# KiCad board SparkFun_Thing_Plus_ESP32-S3_panelized.kicad_pcb (continued)
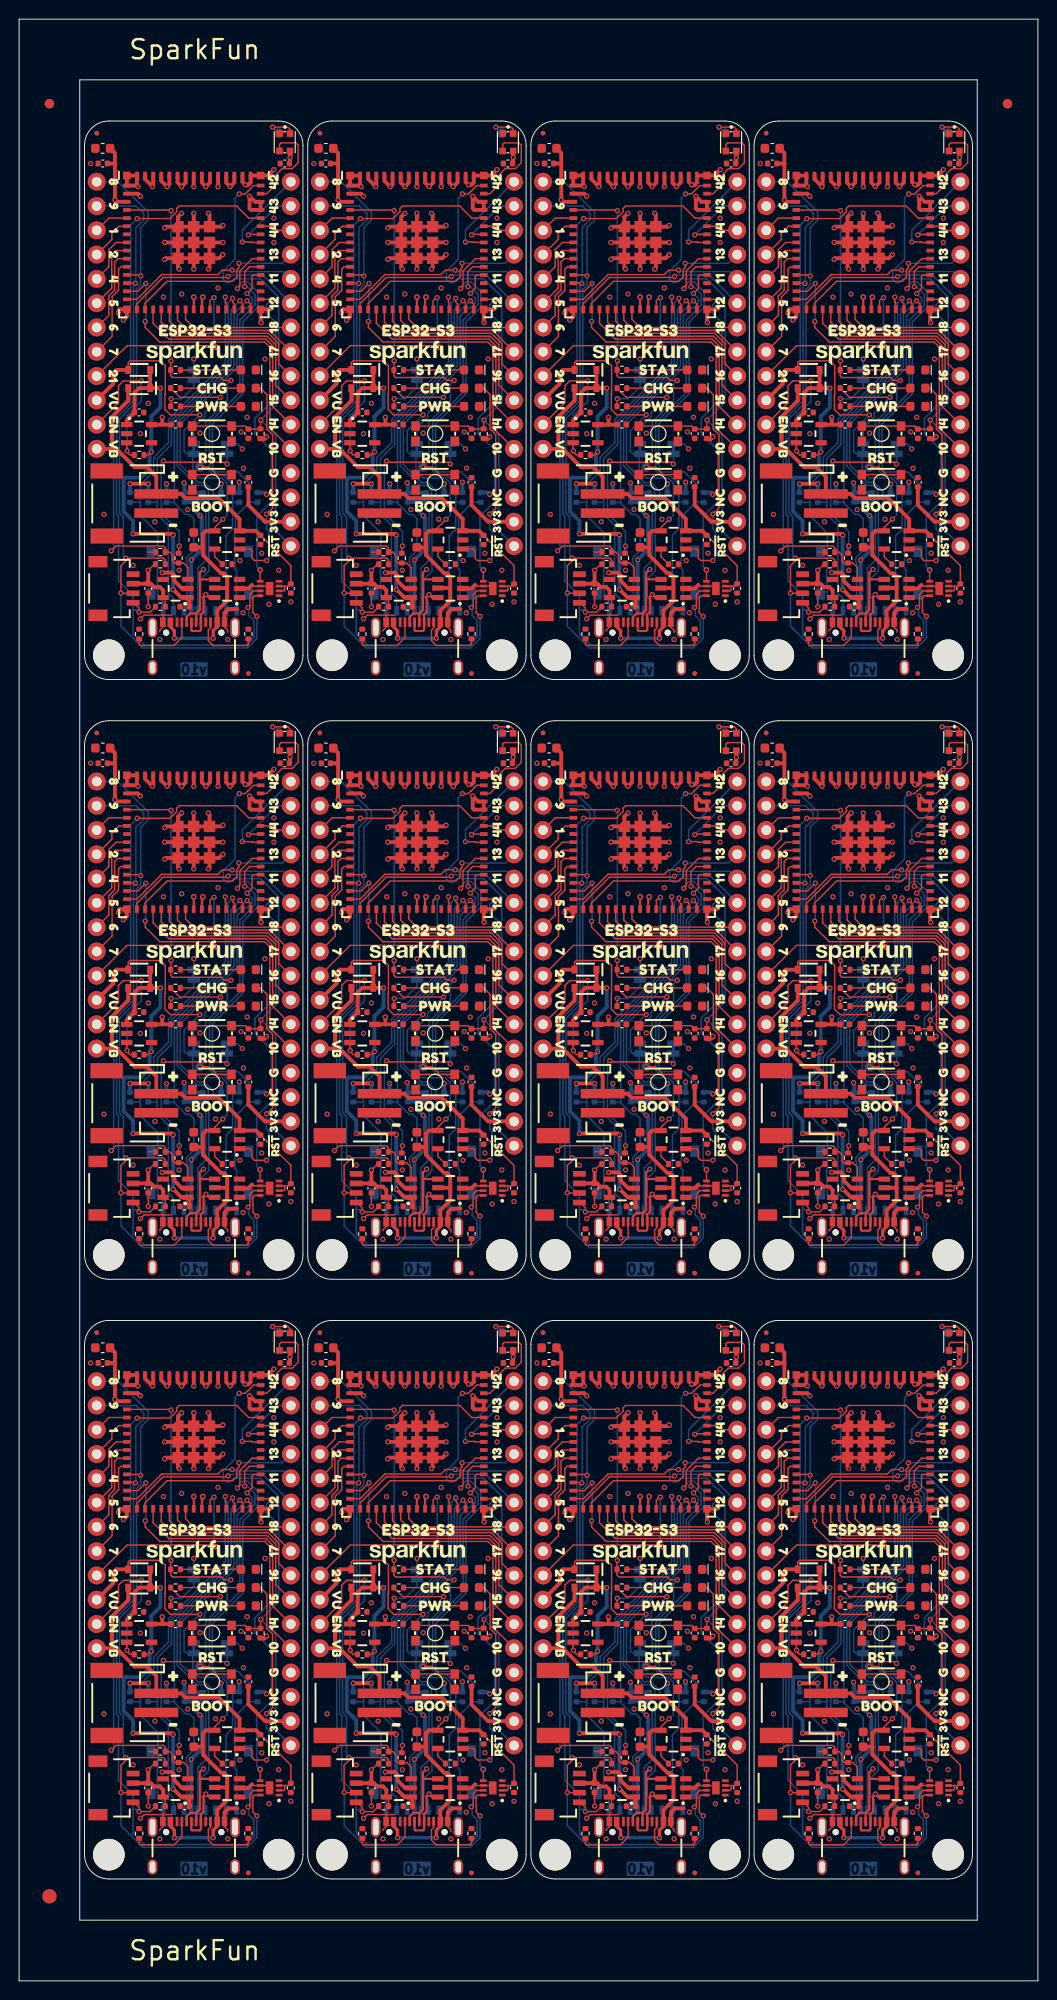
[diagram p0: board, top side]
## Routing (per net, layer and track width the routed paths; a pad name or vN(x,y) marks a point on that pad's centre or on a via; arc(x,y) is an arc through that point) (continued)
  Top w0.349: v1(20.31,77.71) 20.31,78.49 20.73,78.91 J1.VBUS ; J1#9.VBUS 85.91,78.91 86.33,78.49 v1(86.33,77.71) ; v1(43.67,140.44) 43.67,141.22 44.09,141.64 J1#6.VBUS ; v1(67.03,140.44) 67.03,141.22 67.45,141.64 J1#8.VBUS ; J1#4.VBUS 39.19,16.18 39.61,15.76 v1(39.61,14.98) ; J1#3.VBUS 20.73,141.64 20.31,141.22 v1(20.31,140.44) ; J1#10.VBUS 90.81,141.64 90.39,141.22 v1(90.39,140.44) ; v1(16.25,140.44) 16.25,141.22 15.83,141.64 J1#3.VBUS ; v1(90.39,77.71) 90.39,78.49 90.81,78.91 J1#9.VBUS ; J1#7.VBUS 62.55,16.18 62.97,15.76 v1(62.97,14.98) ; J1#2.VBUS 67.45,78.91 67.03,78.49 v1(67.03,77.71) ; v1(39.61,77.71) 39.61,78.49 39.19,78.91 J1#5.VBUS ; v1(43.67,77.71) 43.67,78.49 44.09,78.91 J1#5.VBUS ; J1#6.VBUS 39.19,141.64 39.61,141.22 v1(39.61,140.44) ; J1#2.VBUS 62.55,78.91 62.97,78.49 v1(62.97,77.71) ; v1(86.33,140.44) 86.33,141.22 85.91,141.64 J1#10.VBUS ; J1#11.VBUS 90.81,16.18 90.39,15.76 v1(90.39,14.98) ; J1#12.VBUS 20.73,16.18 20.31,15.76 v1(20.31,14.98) ; v1(16.25,77.71) 16.25,78.49 15.83,78.91 J1.VBUS ; J1#7.VBUS 67.45,16.18 67.03,15.76 v1(67.03,14.98) ; v1(86.33,14.98) 86.33,15.76 85.91,16.18 J1#11.VBUS ; J1#8.VBUS 62.55,141.64 62.97,141.22 v1(62.97,140.44) ; v1(43.67,14.98) 43.67,15.76 44.09,16.18 J1#4.VBUS ; J1#12.VBUS 15.83,16.18 16.25,15.76 v1(16.25,14.98)
  Top w0.406: 45.13,20.19 45.08,20.24 U2#4.5 ; 45.13,20.19 45.13,21.42 44.79,21.77 44.5,21.77 42.59,23.68 42.59,24.47 ; 45.13,20.19 45.13,18.91 44.09,17.87 J1#4.VBUS ; 91.85,20.19 91.8,20.24 U2#10.5 ; 91.85,20.19 91.85,18.91 90.81,17.87 J1#11.VBUS ; 91.85,20.19 91.85,21.42 91.51,21.77 91.22,21.77 89.31,23.68 89.31,24.47 ; C9#3.1 42.57,87.22 42.59,87.2 ; D2#10.A 80.26,105.78 79.95,105.46 79.95,104.35 U10#11.10 ; 19.23,24.47 19.21,24.49 C9#12.1 ; 19.23,24.47 19.23,23.68 21.14,21.77 21.43,21.77 21.77,21.42 21.77,20.19 ; 19.23,24.47 19.23,25.9 19.55,26.22 U5#12.4 ; 42.59,24.47 42.57,24.49 C9#2.1 ; 42.59,24.47 42.59,25.9 42.91,26.22 U5#7.4 ; 65.95,24.47 65.95,25.9 66.27,26.22 U5#4.4 ; 65.95,24.47 65.95,23.68 67.86,21.77 68.15,21.77 68.49,21.42 68.49,20.19 ; 65.95,24.47 65.93,24.49 C9#5.1 ; 68.49,145.65 68.49,146.88 68.15,147.23 67.86,147.23 65.95,149.14 65.95,149.93 ; 68.49,145.65 68.49,144.38 67.45,143.33 J1#8.VBUS ; 68.49,145.65 68.44,145.69 U2#3.5 ; 89.31,24.47 89.29,24.49 C9#11.1 ; 89.31,24.47 89.31,25.9 89.63,26.22 U5#3.4 ; 19.23,87.2 19.23,86.41 21.14,84.5 21.43,84.5 21.77,84.15 21.77,82.92 ; 19.23,87.2 19.23,88.63 19.55,88.95 U5#8.4 ; 19.23,87.2 19.21,87.22 C9.1 ; J1#9.VBUS 90.81,80.6 91.85,81.64 91.85,82.92 ; C9#9.1 89.29,149.95 89.31,149.93 ; 65.95,149.93 65.95,151.36 66.27,151.68 67.19,151.68 ; 65.95,149.93 65.93,149.95 C9#7.1 ; 68.49,82.92 68.44,82.97 U2#9.5 ; 68.49,82.92 68.49,84.15 68.15,84.5 67.86,84.5 65.95,86.41 65.95,87.2 ; 68.49,82.92 68.49,81.64 67.45,80.6 J1#2.VBUS ; 42.59,87.2 42.59,88.63 42.91,88.95 U5#9.4 ; 42.59,87.2 42.59,86.41 44.5,84.5 44.79,84.5 45.13,84.15 45.13,82.92 ; 91.85,82.92 91.8,82.97 U2#11.5 ; 91.85,82.92 91.85,84.15 91.51,84.5 91.22,84.5 89.31,86.41 89.31,87.2 ; U10#3.10 33.23,41.62 33.23,42.73 33.54,43.05 D2#8.A ; D2#12.A 10.18,43.05 9.87,42.73 9.87,41.62 U10#12.10 ; 89.31,87.2 89.31,88.63 89.63,88.95 U5#6.4 ; 89.31,87.2 89.29,87.22 C9#8.1 ; D2#2.A 10.18,168.5 9.87,168.19 9.87,167.08 U10#4.10 ; 21.77,82.92 21.72,82.97 U2#2.5 ; 21.77,82.92 21.77,81.64 20.73,80.6 J1.VBUS ; 45.13,145.65 45.08,145.69 U2#8.5 ; 45.13,145.65 45.13,144.38 44.09,143.33 J1#6.VBUS ; 45.13,145.65 45.13,146.88 44.79,147.23 44.5,147.23 42.59,149.14 42.59,149.93 ; D2.A 56.9,105.78 56.59,105.46 56.59,104.35 U10#8.10 ; J1#7.VBUS 67.45,17.87 68.49,18.91 68.49,20.19 ; U2#12.5 21.72,20.24 21.77,20.19 ; U2#5.5 91.8,145.69 91.85,145.65 ; D2#4.A 80.26,168.5 79.95,168.19 79.95,167.08 U10#9.10 ; J1#3.VBUS 20.73,143.33 21.77,144.38 21.77,145.65 ; U10.10 9.87,104.35 9.87,105.46 10.18,105.78 D2#11.A ; J1#12.VBUS 20.73,17.87 21.77,18.91 21.77,20.19 ; C9#10.1 19.21,149.95 19.23,149.93 ; U10#5.10 33.23,104.35 33.23,105.46 33.54,105.78 D2#7.A ; U10#7.10 56.59,41.62 56.59,42.73 56.9,43.05 D2#3.A ; J1#10.VBUS 90.81,143.33 91.85,144.38 91.85,145.65 ; 42.59,149.93 42.59,151.36 42.91,151.68 43.83,151.68 ; 42.59,149.93 42.57,149.95 C9#4.1 ; 89.31,149.93 89.31,151.36 89.63,151.68 90.55,151.68 ; 89.31,149.93 89.31,149.14 91.22,147.23 91.51,147.23 91.85,146.88 91.85,145.65 ; 65.95,87.2 65.95,88.63 66.27,88.95 U5#10.4 ; 65.95,87.2 65.93,87.22 C9#6.1 ; 68.49,20.19 68.44,20.24 U2#6.5 ; 45.13,82.92 45.08,82.97 U2#7.5 ; 45.13,82.92 45.13,81.64 44.09,80.6 J1#5.VBUS ; D2#9.A 56.9,168.5 56.59,168.19 56.59,167.08 U10#2.10 ; 21.77,145.65 21.72,145.69 U2.5 ; 21.77,145.65 21.77,146.88 21.43,147.23 21.14,147.23 19.23,149.14 19.23,149.93 ; 20.47,151.68 19.55,151.68 19.23,151.36 19.23,149.93 ; U10#10.10 79.95,41.62 79.95,42.73 80.26,43.05 D2#6.A ; U10#6.10 33.23,167.08 33.23,168.19 33.54,168.5 D2#5.A
  Bottom w0.152: v1(89,163.81) 87.34,162.16 87.34,160 87.61,159.73 JP3#11.2 88.26,159.63 88.26,157.94 88.99,157.2 91.33,157.2 91.85,156.68 91.85,153.33 v1(91.41,152.88) ; v1(42.28,38.35) 40.62,36.7 40.62,34.54 40.89,34.27 JP3.2 41.54,34.17 41.54,32.48 42.27,31.74 44.61,31.74 45.13,31.22 45.13,27.87 v1(44.69,27.42) ; v1(18.92,101.08) 17.26,99.43 17.26,97.27 17.53,97 JP3#6.2 18.18,96.9 18.18,95.21 18.91,94.47 21.25,94.47 21.77,93.95 21.77,90.6 v1(21.33,90.15) ; v1(21.33,27.42) 21.77,27.87 21.77,31.22 21.25,31.74 18.91,31.74 18.18,32.48 18.18,34.17 JP3#12.2 17.53,34.27 17.26,34.54 17.26,36.7 v1(18.92,38.35) ; v1(65.63,163.81) 63.98,162.16 63.98,160 64.25,159.73 JP3#8.2 64.9,159.63 64.9,157.94 65.63,157.2 67.97,157.2 68.49,156.68 68.49,153.33 v1(68.05,152.88) ; v1(65.63,38.35) 63.98,36.7 63.98,34.54 64.25,34.27 JP3#5.2 64.9,34.17 64.9,32.48 65.63,31.74 67.97,31.74 68.49,31.22 68.49,27.87 v1(68.05,27.42) ; v1(42.28,101.08) 40.62,99.43 40.62,97.27 40.89,97 JP3#10.2 41.54,96.9 41.54,95.21 42.27,94.47 44.61,94.47 45.13,93.95 45.13,90.6 v1(44.69,90.15) ; v1(18.92,163.81) 17.26,162.16 17.26,160 17.53,159.73 JP3#4.2 18.18,159.63 18.18,157.94 18.91,157.2 21.25,157.2 21.77,156.68 21.77,153.33 v1(21.33,152.88) ; v1(44.69,152.88) 45.13,153.33 45.13,156.68 44.61,157.2 42.27,157.2 41.54,157.94 41.54,159.63 JP3#7.2 40.89,159.73 40.62,160 40.62,162.16 v1(42.28,163.81) ; v1(89,101.08) 87.34,99.43 87.34,97.27 87.61,97 JP3#2.2 88.26,96.9 88.26,95.21 88.99,94.47 91.33,94.47 91.85,93.95 91.85,90.6 v1(91.41,90.15) ; v1(91.41,27.42) 91.85,27.87 91.85,31.22 91.33,31.74 88.99,31.74 88.26,32.48 88.26,34.17 JP3#9.2 87.61,34.27 87.34,34.54 87.34,36.7 v1(89,38.35) ; v1(65.63,101.08) 63.98,99.43 63.98,97.27 64.25,97 JP3#3.2 64.9,96.9 64.9,95.21 65.63,94.47 67.97,94.47 68.49,93.95 68.49,90.6 v1(68.05,90.15)
  Bottom w0.349: v1(16.25,14.98) v1(20.31,14.98) ; v1(39.61,77.71) v1(43.67,77.71) ; v1(86.33,140.44) v1(90.39,140.44) ; v1(39.61,140.44) v1(43.67,140.44) ; v1(86.33,14.98) v1(90.39,14.98) ; v1(16.25,140.44) v1(20.31,140.44) ; v1(86.33,77.71) v1(90.39,77.71) ; v1(39.61,14.98) v1(43.67,14.98) ; v1(62.97,77.71) v1(67.03,77.71) ; v1(16.25,77.71) v1(20.31,77.71) ; v1(62.97,14.98) v1(67.03,14.98) ; v1(62.97,140.44) v1(67.03,140.44)
Net-(D1-A): length 75.9
  Top w0.152: R7#5.2 D1#2.2 ; R7#9.2 D1#6.2 ; R7#12.2 D1#12.2 ; R7#8.2 D1#8.2 ; R7#2.2 D1#7.2 ; R7#4.2 D1#4.2 ; R7.2 D1#3.2 ; R7#10.2 D1.2 ; R7#11.2 D1#11.2 ; R7#6.2 D1#10.2 ; R7#3.2 D1#9.2 ; R7#7.2 D1#5.2
Net-(D4-A): length 75.9
  Top w0.152: D4#10.2 R14.1 ; D4#6.2 R14#6.1 ; D4#8.2 R14#7.1 ; D4.2 R14#4.1 ; D4#3.2 R14#8.1 ; D4#4.2 R14#11.1 ; D4#7.2 R14#9.1 ; D4#2.2 R14#5.1 ; D4#12.2 R14#12.1 ; D4#5.2 R14#3.1 ; D4#9.2 R14#2.1 ; D4#11.2 R14#10.1
Net-(D4-K): length 279.5
  Top w0.152: v1(72.62,23.11) 71.35,23.11 71.1,23.36 71.1,24.12 70.9,24.31 U5#4.1 ; D4#9.1 25.27,103.87 25.94,103.2 25.94,99.59 26.53,98.99 26.53,91.33 v1(25.9,90.69) ; v1(49.26,90.69) 49.9,91.33 49.9,98.99 49.3,99.59 49.3,103.2 48.62,103.87 D4#8.1 ; v1(95.98,90.69) 96.62,91.33 96.62,98.99 96.02,99.59 96.02,103.2 95.34,103.87 D4#11.1 ; v1(72.62,148.57) 71.35,148.57 71.1,148.82 71.1,149.58 70.9,149.78 U5#2.1 ; U5#12.1 24.18,24.31 24.38,24.12 24.38,23.36 24.63,23.11 v1(25.9,23.11) ; D4#3.1 71.99,103.87 72.66,103.2 72.66,99.59 73.25,98.99 73.25,91.33 v1(72.62,90.69) ; U5#3.1 94.26,24.31 94.46,24.12 94.46,23.36 94.71,23.11 v1(95.98,23.11) ; v1(72.62,153.42) 73.25,154.06 73.25,161.72 72.66,162.32 72.66,165.93 71.99,166.6 D4#10.1 ; v1(49.26,23.11) 47.99,23.11 47.74,23.36 47.74,24.12 47.54,24.31 U5#7.1 ; v1(95.98,148.57) 94.71,148.57 94.46,148.82 94.46,149.58 94.26,149.78 U5#11.1 ; U5.1 24.18,149.78 24.38,149.58 24.38,148.82 24.63,148.57 v1(25.9,148.57) ; v1(49.26,148.57) 47.99,148.57 47.74,148.82 47.74,149.58 47.54,149.78 U5#5.1 ; v1(25.9,27.96) 26.53,28.6 26.53,36.26 25.94,36.86 25.94,40.47 25.27,41.14 D4#12.1 ; v1(72.62,85.84) 71.35,85.84 71.1,86.09 71.1,86.85 70.9,87.05 U5#10.1 ; v1(49.26,85.84) 47.99,85.84 47.74,86.09 47.74,86.85 47.54,87.05 U5#9.1 ; v1(95.98,27.96) 96.62,28.6 96.62,36.26 96.02,36.86 96.02,40.47 95.34,41.14 D4#2.1 ; v1(49.26,27.96) 49.9,28.6 49.9,36.26 49.3,36.86 49.3,40.47 48.62,41.14 D4#7.1 ; v1(72.62,27.96) 73.25,28.6 73.25,36.26 72.66,36.86 72.66,40.47 71.99,41.14 D4#5.1 ; D4.1 48.62,166.6 49.3,165.93 49.3,162.32 49.9,161.72 49.9,154.06 v1(49.26,153.42) ; v1(25.9,153.42) 26.53,154.06 26.53,161.72 25.94,162.32 25.94,165.93 25.27,166.6 D4#6.1 ; v1(25.9,85.84) 24.63,85.84 24.38,86.09 24.38,86.85 24.18,87.05 U5#8.1 ; v1(95.98,153.42) 96.62,154.06 96.62,161.72 96.02,162.32 96.02,165.93 95.34,166.6 D4#4.1 ; v1(95.98,85.84) 94.71,85.84 94.46,86.09 94.46,86.85 94.26,87.05 U5#6.1
  Bottom w0.152: v1(49.26,148.57) 49.51,148.82 49.51,151.61 49.26,151.87 v1(49.26,153.42) ; v1(25.9,27.96) 25.9,26.41 26.15,26.15 26.15,23.36 v1(25.9,23.11) ; v1(25.9,90.69) 25.9,89.14 26.15,88.88 26.15,86.09 v1(25.9,85.84) ; v1(95.98,85.84) 96.23,86.09 96.23,88.88 95.98,89.14 v1(95.98,90.69) ; v1(72.62,85.84) 72.87,86.09 72.87,88.88 72.62,89.14 v1(72.62,90.69) ; v1(25.9,153.42) 25.9,151.87 26.15,151.61 26.15,148.82 v1(25.9,148.57) ; v1(95.98,148.57) 96.23,148.82 96.23,151.61 95.98,151.87 v1(95.98,153.42) ; v1(72.62,153.42) 72.62,151.87 72.87,151.61 72.87,148.82 v1(72.62,148.57) ; v1(49.26,27.96) 49.26,26.41 49.51,26.15 49.51,23.36 v1(49.26,23.11) ; v1(72.62,27.96) 72.62,26.41 72.87,26.15 72.87,23.36 v1(72.62,23.11) ; v1(95.98,23.11) 96.23,23.36 96.23,26.15 95.98,26.41 v1(95.98,27.96) ; v1(49.26,85.84) 49.51,86.09 49.51,88.88 49.26,89.14 v1(49.26,90.69)
Net-(D5-A): length 75.9
  Top w0.152: R9#7.2 D5#3.2 ; R9#10.2 D5#4.2 ; R9#5.2 D5.2 ; R9#6.2 D5#10.2 ; R9#9.2 D5#7.2 ; R9#2.2 D5#5.2 ; R9#12.2 D5#12.2 ; R9#8.2 D5#11.2 ; R9.2 D5#2.2 ; R9#3.2 D5#8.2 ; R9#4.2 D5#6.2 ; R9#11.2 D5#9.2
Net-(D6-DOUT): length 39.1
  Top w0.152: v1(49.9,131.18) 51.48,131.18 51.72,130.94 D6#3.1 ; v1(73.25,193.91) 74.84,193.91 75.07,193.67 75.07,193.23 ; v1(96.62,193.91) 98.2,193.91 98.44,193.67 D6#11.1 ; D6#7.1 51.72,193.67 51.48,193.91 v1(49.9,193.91) ; v1(96.62,68.45) 98.2,68.45 98.44,68.21 D6#9.1 ; D6#10.1 98.44,130.94 98.2,131.18 v1(96.62,131.18) ; 75.07,130.5 75.07,130.94 74.84,131.18 v1(73.25,131.18) ; v1(73.25,68.45) 74.84,68.45 75.07,68.21 75.07,67.77 ; D6#12.1 28.36,68.21 28.12,68.45 v1(26.53,68.45) ; D6#6.1 28.36,130.94 28.12,131.18 v1(26.53,131.18) ; D6#5.1 51.72,68.21 51.48,68.45 v1(49.9,68.45) ; v1(26.53,193.91) 28.12,193.91 28.36,193.67 D6.1
  Bottom w0.152: TP1#12.1 v1(26.53,68.45) ; TP1#11.1 v1(96.62,68.45) ; TP1#7.1 v1(49.9,131.18) ; TP1#9.1 v1(73.25,68.45) ; TP1#5.1 v1(73.25,131.18) ; TP1#2.1 v1(49.9,68.45) ; TP1#6.1 v1(96.62,131.18) ; TP1#10.1 v1(96.62,193.91) ; TP1#3.1 v1(26.53,131.18) ; TP1#8.1 v1(49.9,193.91) ; TP1#4.1 v1(73.25,193.91) ; TP1.1 v1(26.53,193.91)
Net-(J1-CC1): length 84.6
  Top w0.152: R11#11.1 82.65,139.81 82.77,139.68 86.29,139.68 87.11,140.5 J1#10.A5 ; J1#12.A5 17.03,15.04 16.21,14.22 12.69,14.22 12.56,14.34 R11#12.1 ; R11#2.1 82.65,77.08 82.77,76.95 86.29,76.95 87.11,77.77 J1#9.A5 ; R11#4.1 59.28,14.34 59.41,14.22 62.93,14.22 63.75,15.04 J1#7.A5 ; R11#5.1 59.28,77.08 59.41,76.95 62.93,76.95 63.75,77.77 J1#2.A5 ; J1#4.A5 40.39,15.04 39.57,14.22 36.05,14.22 35.93,14.34 R11#10.1 ; R11#8.1 59.28,139.81 59.41,139.68 62.93,139.68 63.75,140.5 J1#8.A5 ; J1#5.A5 40.39,77.77 39.57,76.95 36.05,76.95 35.93,77.08 R11#9.1 ; R11.1 12.56,77.08 12.69,76.95 16.21,76.95 17.03,77.77 J1.A5 ; R11#3.1 12.56,139.81 12.69,139.68 16.21,139.68 17.03,140.5 J1#3.A5 ; R11#6.1 82.65,14.34 82.77,14.22 86.29,14.22 87.11,15.04 J1#11.A5 ; J1#6.A5 40.39,140.5 39.57,139.68 36.05,139.68 35.93,139.81 R11#7.1
Net-(J1-CC2): length 84.7
  Top w0.152: J1#7.B5 66.75,16.05 66.52,15.82 66.52,14.72 67.03,14.22 70.59,14.22 70.72,14.34 R10#11.2 ; J1#11.B5 90.11,16.05 89.88,15.82 89.88,14.72 90.39,14.22 93.95,14.22 94.07,14.34 R10#10.2 ; R10#6.2 24,77.08 23.87,76.95 20.31,76.95 19.8,77.45 19.8,78.55 20.03,78.78 J1.B5 ; R10#3.2 47.35,77.08 47.23,76.95 43.67,76.95 43.16,77.45 43.16,78.55 43.39,78.78 J1#5.B5 ; R10.2 47.35,14.34 47.23,14.22 43.67,14.22 43.16,14.72 43.16,15.82 43.39,16.05 J1#4.B5 ; R10#8.2 24,139.81 23.87,139.68 20.31,139.68 19.8,140.18 19.8,141.28 20.03,141.51 J1#3.B5 ; J1#9.B5 90.11,78.78 89.88,78.55 89.88,77.45 90.39,76.95 93.95,76.95 94.07,77.08 R10#4.2 ; R10#12.2 24,14.34 23.87,14.22 20.31,14.22 19.8,14.72 19.8,15.82 20.03,16.05 J1#12.B5 ; R10#5.2 47.35,139.81 47.23,139.68 43.67,139.68 43.16,140.18 43.16,141.28 43.39,141.51 J1#6.B5 ; R10#2.2 94.07,139.81 93.95,139.68 90.39,139.68 89.88,140.18 89.88,141.28 90.11,141.51 J1#10.B5 ; J1#2.B5 66.75,78.78 66.52,78.55 66.52,77.45 67.03,76.95 70.59,76.95 70.72,77.08 R10#9.2 ; J1#8.B5 66.75,141.51 66.52,141.28 66.52,140.18 67.03,139.68 70.59,139.68 70.72,139.81 R10#7.2
Net-(JP1-A): length 53
  Top w0.152: R9#11.1 62.59,102.72 v1(62.62,102.76) ; R9#10.1 85.94,165.46 v1(85.98,165.49) ; R9#3.1 85.94,102.72 v1(85.98,102.76) ; R9#2.1 15.86,102.72 v1(15.9,102.76) ; v1(15.9,165.49) 15.86,165.46 R9#4.1 ; v1(15.9,40.03) 15.86,40 R9#12.1 ; R9#5.1 62.59,40 v1(62.62,40.03) ; R9#9.1 39.22,102.72 v1(39.26,102.76) ; v1(39.26,40.03) 39.22,40 R9#7.1 ; v1(62.62,165.49) 62.59,165.46 R9.1 ; R9#6.1 39.22,165.46 v1(39.26,165.49) ; R9#8.1 85.94,40 v1(85.98,40.03)
  Bottom w0.152: v1(39.26,102.76) 40.37,102.76 41.64,104.03 JP1#2.1 ; v1(85.98,165.49) 87.09,165.49 88.36,166.76 JP1#8.1 ; v1(62.62,40.03) 63.73,40.03 65,41.3 JP1#5.1 ; v1(85.98,102.76) 87.09,102.76 88.36,104.03 JP1#11.1 ; v1(62.62,165.49) 63.73,165.49 65,166.76 JP1#7.1 ; v1(85.98,40.03) 87.09,40.03 88.36,41.3 JP1#9.1 ; v1(39.26,40.03) 40.37,40.03 41.64,41.3 JP1#4.1 ; v1(15.9,102.76) 17.01,102.76 18.28,104.03 JP1#3.1 ; JP1.1 18.28,166.76 17.01,165.49 v1(15.9,165.49) ; JP1#12.1 18.28,41.3 17.01,40.03 v1(15.9,40.03) ; JP1#6.1 65,104.03 63.73,102.76 v1(62.62,102.76) ; JP1#10.1 41.64,166.76 40.37,165.49 v1(39.26,165.49)
Net-(JP2-A): length 221
  Top w0.152: v1(91.85,33.2) 91.66,33.39 85.31,33.39 v1(85.19,33.52) ; v1(68.49,158.66) 68.3,158.85 61.95,158.85 v1(61.82,158.98) ; v1(68.49,95.93) 68.3,96.12 61.95,96.12 v1(61.82,96.25) ; R17#2.1 16.69,150.03 v1(16.76,150.09) ; R17#9.1 40.05,24.56 v1(40.12,24.63) ; v1(86.84,87.36) 86.77,87.3 R17.1 ; v1(16.76,24.63) 16.69,24.56 R17#12.1 ; v1(91.85,158.66) 91.66,158.85 85.31,158.85 v1(85.19,158.98) ; v1(21.77,95.93) 21.58,96.12 15.23,96.12 v1(15.11,96.25) ; v1(91.85,95.93) 91.66,96.12 85.31,96.12 v1(85.19,96.25) ; v1(63.48,150.09) 63.41,150.03 R17#6.1 ; v1(68.49,33.2) 68.3,33.39 61.95,33.39 v1(61.82,33.52) ; R17#11.1 86.77,150.03 v1(86.84,150.09) ; v1(21.77,33.2) 21.58,33.39 15.23,33.39 v1(15.11,33.52) ; v1(40.12,150.09) 40.05,150.03 R17#3.1 ; R17#4.1 63.41,24.56 v1(63.48,24.63) ; v1(38.47,158.98) 38.59,158.85 44.94,158.85 v1(45.13,158.66) ; v1(15.11,158.98) 15.23,158.85 21.58,158.85 v1(21.77,158.66) ; v1(38.47,96.25) 38.59,96.12 44.94,96.12 v1(45.13,95.93) ; v1(45.13,33.2) 44.94,33.39 38.59,33.39 v1(38.47,33.52) ; v1(86.84,24.63) 86.77,24.56 R17#7.1 ; R17#8.1 16.69,87.3 v1(16.76,87.36) ; R17#5.1 63.41,87.3 v1(63.48,87.36) ; v1(40.12,87.36) 40.05,87.3 R17#10.1
  Bottom w0.152: v1(63.48,150.09) 63.48,151.61 61.59,153.5 61.59,158.75 v1(61.82,158.98) ; v1(61.82,33.52) 61.59,33.29 61.59,28.04 63.48,26.15 v1(63.48,24.63) ; v1(38.47,33.52) 38.23,33.29 38.23,28.04 40.12,26.15 v1(40.12,24.63) ; v1(85.19,33.52) 84.95,33.29 84.95,28.04 86.84,26.15 v1(86.84,24.63) ; JP2#10.1 v1(91.85,33.2) ; v1(16.76,87.36) 16.76,88.88 14.87,90.77 14.87,96.02 v1(15.11,96.25) ; v1(63.48,87.36) 63.48,88.88 61.59,90.77 61.59,96.02 v1(61.82,96.25) ; JP2#3.1 v1(45.13,33.2) ; JP2#8.1 v1(68.49,158.66) ; JP2.1 v1(45.13,95.93) ; v1(85.19,96.25) 84.95,96.02 84.95,90.77 86.84,88.88 v1(86.84,87.36) ; v1(16.76,24.63) 16.76,26.15 14.87,28.04 14.87,33.29 v1(15.11,33.52) ; v1(15.11,158.98) 14.87,158.75 14.87,153.5 16.76,151.61 v1(16.76,150.09) ; v1(86.84,150.09) 86.84,151.61 84.95,153.5 84.95,158.75 v1(85.19,158.98) ; JP2#6.1 v1(68.49,33.2) ; JP2#4.1 v1(21.77,95.93) ; JP2#12.1 v1(21.77,33.2) ; JP2#2.1 v1(21.77,158.66) ; JP2#9.1 v1(68.49,95.93) ; v1(38.47,158.98) 38.23,158.75 38.23,153.5 40.12,151.61 v1(40.12,150.09) ; JP2#11.1 v1(91.85,158.66) ; v1(40.12,87.36) 40.12,88.88 38.23,90.77 38.23,96.02 v1(38.47,96.25) ; JP2#7.1 v1(45.13,158.66) ; JP2#5.1 v1(91.85,95.93)
Net-(JP3-A): length 139.7
  Top w0.152: v1(44.43,102.92) 40.18,102.92 R14#7.2 ; R14#9.2 40.18,40.19 v1(44.43,40.19) ; R14#6.2 16.82,165.65 v1(21.07,165.65) ; R14.2 63.54,165.65 v1(67.79,165.65) ; R14#8.2 63.54,102.92 v1(67.79,102.92) ; R14#12.2 16.82,40.19 v1(21.07,40.19) ; v1(91.15,40.19) 86.9,40.19 R14#5.2 ; R14#3.2 63.54,40.19 v1(67.79,40.19) ; R14#10.2 86.9,102.92 v1(91.15,102.92) ; v1(91.15,165.65) 86.9,165.65 R14#11.2 ; R14#4.2 40.18,165.65 v1(44.43,165.65) ; v1(21.07,102.92) 16.82,102.92 R14#2.2
  Bottom w0.152: JP3#5.1 65,36.99 66.14,38.14 66.14,38.54 v1(67.79,40.19) ; JP3#4.1 18.28,162.45 19.42,163.6 19.42,164 v1(21.07,165.65) ; v1(44.43,40.19) 42.78,38.54 42.78,38.14 41.64,36.99 JP3.1 ; v1(21.07,102.92) 19.42,101.27 19.42,100.87 18.28,99.72 JP3#6.1 ; v1(44.43,102.92) 42.78,101.27 42.78,100.87 41.64,99.72 JP3#10.1 ; JP3#3.1 65,99.72 66.14,100.87 66.14,101.27 v1(67.79,102.92) ; JP3#7.1 41.64,162.45 42.78,163.6 42.78,164 v1(44.43,165.65) ; JP3#2.1 88.36,99.72 89.5,100.87 89.5,101.27 v1(91.15,102.92) ; JP3#9.1 88.36,36.99 89.5,38.14 89.5,38.54 v1(91.15,40.19) ; JP3#11.1 88.36,162.45 89.5,163.6 89.5,164 v1(91.15,165.65) ; JP3#12.1 18.28,36.99 19.42,38.14 19.42,38.54 v1(21.07,40.19) ; v1(67.79,165.65) 66.14,164 66.14,163.6 65,162.45 JP3#8.1
Net-(U5-PROG): length 23
  Top w0.152: R16#7.1 67.19,23.52 U5#4.5 ; U5.5 20.47,148.98 R16#3.1 ; R16#10.1 90.55,23.52 U5#3.5 ; R16#8.1 90.55,86.25 U5#6.5 ; U5#7.5 43.83,23.52 R16#4.1 ; R16#9.1 90.55,148.98 U5#11.5 ; U5#10.5 67.19,86.25 R16#11.1 ; U5#9.5 43.83,86.25 R16#5.1 ; R16.1 20.47,86.25 U5#8.5 ; R16#2.1 43.83,148.98 U5#5.5 ; R16#6.1 67.19,148.98 U5#2.5 ; U5#12.5 20.47,23.52 R16#12.1

## Copper pours and planes (outline as drawn; the poured copper is in the pictures)
3.3V on In2.Cu -3V3: 29.71,10.66 29.71,69.08 6.85,69.08 6.85,10.66
3.3V on In2.Cu -3V3: 76.43,73.39 76.43,131.81 53.57,131.81 53.57,73.39
3.3V on In2.Cu -3V3: 99.79,73.39 99.79,131.81 76.93,131.81 76.93,73.39
3.3V on In2.Cu -3V3: 99.79,136.12 99.79,194.54 76.93,194.54 76.93,136.12
3.3V on In2.Cu -3V3: 53.07,73.39 53.07,131.81 30.21,131.81 30.21,73.39
3.3V on In2.Cu -3V3: 29.71,73.39 29.71,131.81 6.85,131.81 6.85,73.39
3.3V on In2.Cu -3V3: 53.07,10.66 53.07,69.08 30.21,69.08 30.21,10.66
3.3V on In2.Cu -3V3: 76.43,136.12 76.43,194.54 53.57,194.54 53.57,136.12
3.3V on In2.Cu -3V3: 76.43,10.66 76.43,69.08 53.57,69.08 53.57,10.66
3.3V on In2.Cu -3V3: 99.79,10.66 99.79,69.08 76.93,69.08 76.93,10.66
3.3V on In2.Cu -3V3: 29.71,136.12 29.71,194.54 6.85,194.54 6.85,136.12
3.3V on In2.Cu -3V3: 53.07,136.12 53.07,194.54 30.21,194.54 30.21,136.12
GND on Top, Bottom, In1.Cu - GND: 76.93,10.66 76.93,69.08 99.79,69.08 99.79,10.66
GND on Top, Bottom, In1.Cu - GND: 6.85,136.12 6.85,194.54 29.71,194.54 29.71,136.12
GND on Top, Bottom, In1.Cu - GND: 30.21,10.66 30.21,69.08 53.07,69.08 53.07,10.66
GND on Top, Bottom, In1.Cu - GND: 53.57,136.12 53.57,194.54 76.43,194.54 76.43,136.12
GND on Top, Bottom, In1.Cu - GND: 30.21,73.39 30.21,131.81 53.07,131.81 53.07,73.39
GND on Top, Bottom, In1.Cu - GND: 30.21,136.12 30.21,194.54 53.07,194.54 53.07,136.12
GND on Top, Bottom, In1.Cu - GND: 6.85,73.39 6.85,131.81 29.71,131.81 29.71,73.39
GND on Top, Bottom, In1.Cu - GND: 53.57,73.39 53.57,131.81 76.43,131.81 76.43,73.39
GND on Top, Bottom, In1.Cu - GND: 6.85,10.66 6.85,69.08 29.71,69.08 29.71,10.66
GND on Top, Bottom, In1.Cu - GND: 76.93,73.39 76.93,131.81 99.79,131.81 99.79,73.39
GND on Top, Bottom, In1.Cu - GND: 76.93,136.12 76.93,194.54 99.79,194.54 99.79,136.12
GND on Top, Bottom, In1.Cu - GND: 53.57,10.66 53.57,69.08 76.43,69.08 76.43,10.66

## Text on the board
Bottom: v10
User.Comments: ROUTE OUT | V-SCORE
F.Fab: Silkscreen Color: White | Outer Copper Weight: 1oz | Inner Copper Weight: 0.5oz
F.Silkscreen: SparkFun
User.1: N. Seidle | Solder Mask: Red | Controlled Impedance: JLC7628 | Layers: 4 | Finish: HASL Lead-Free | Thickness: 1.6mm | Material: TG155
